# Altium PCB panneaucontrol_pcb.PcbDoc
Units mm, origin at the board's own origin, x right, y up, seen from the top; angles counter-clockwise.
Board outline 110.62 x 156.59 mm, 2 copper layers (Top Layer, Bottom Layer); 79 components, 87 nets, 279 pads, 30 vias.
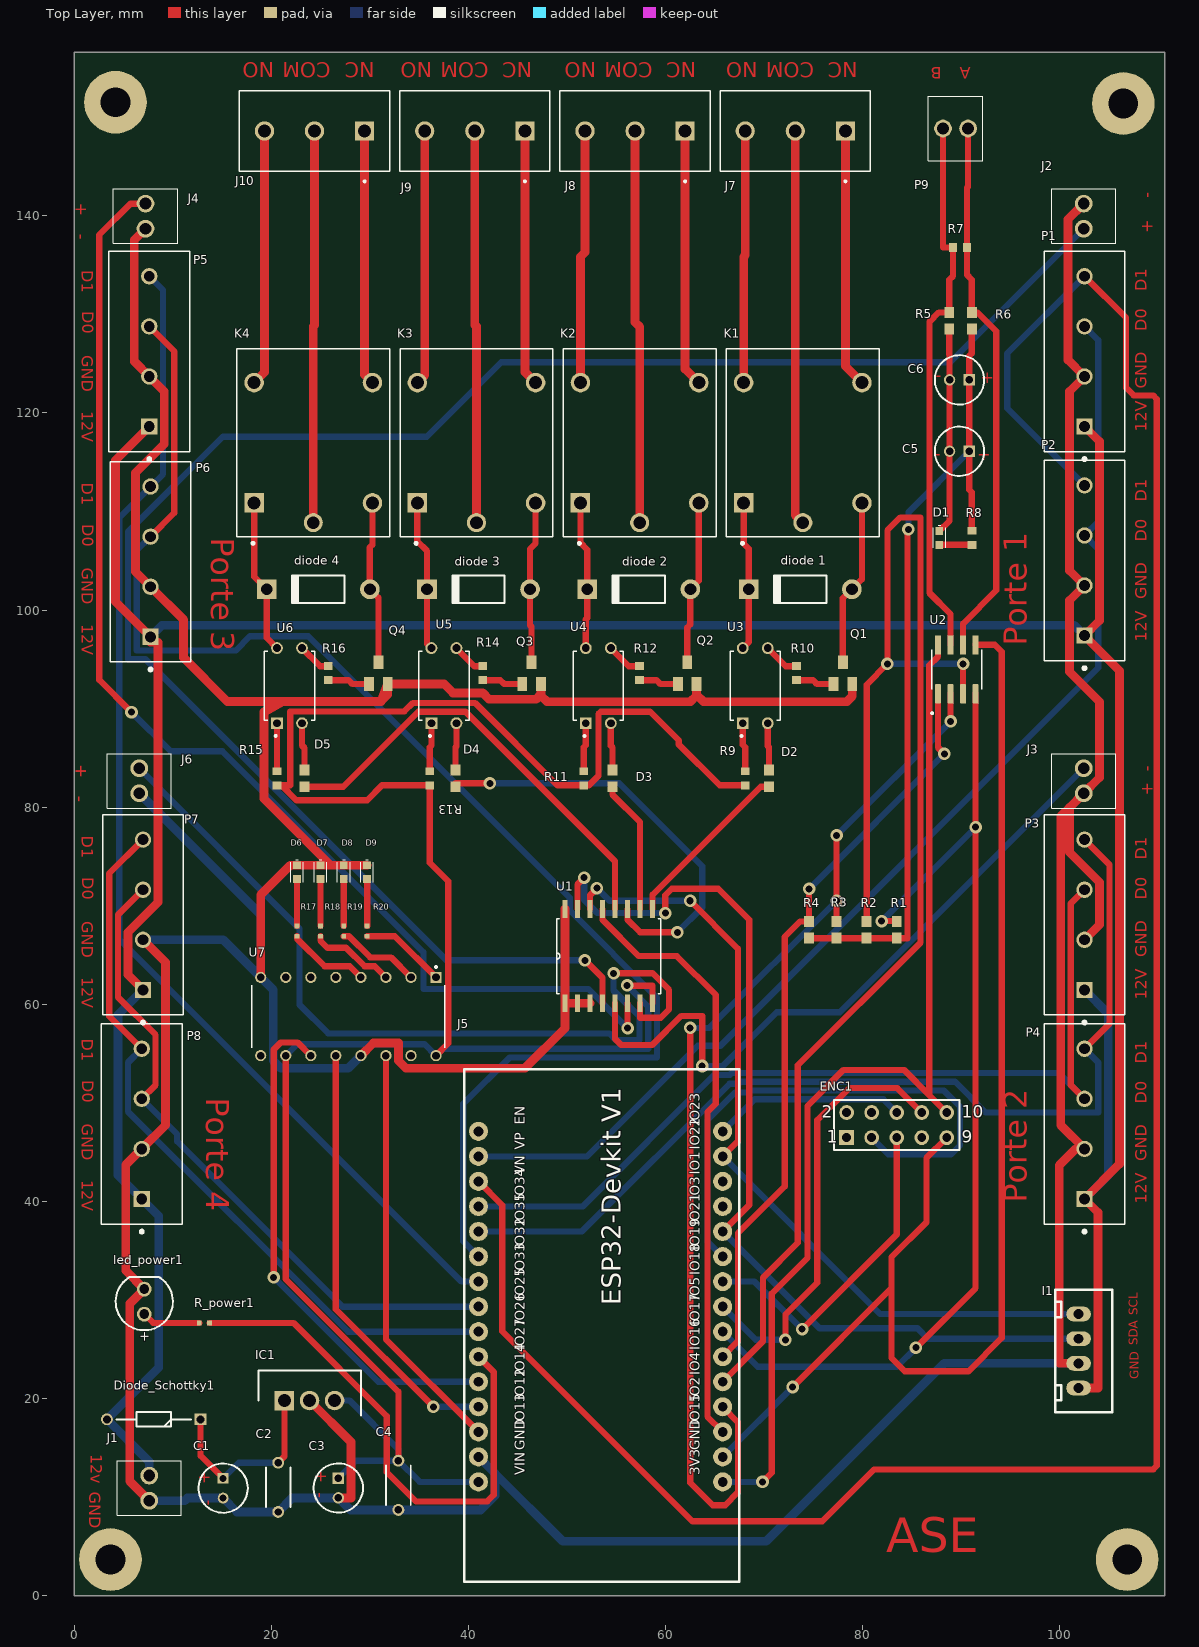
[diagram p0: Top Layer view]
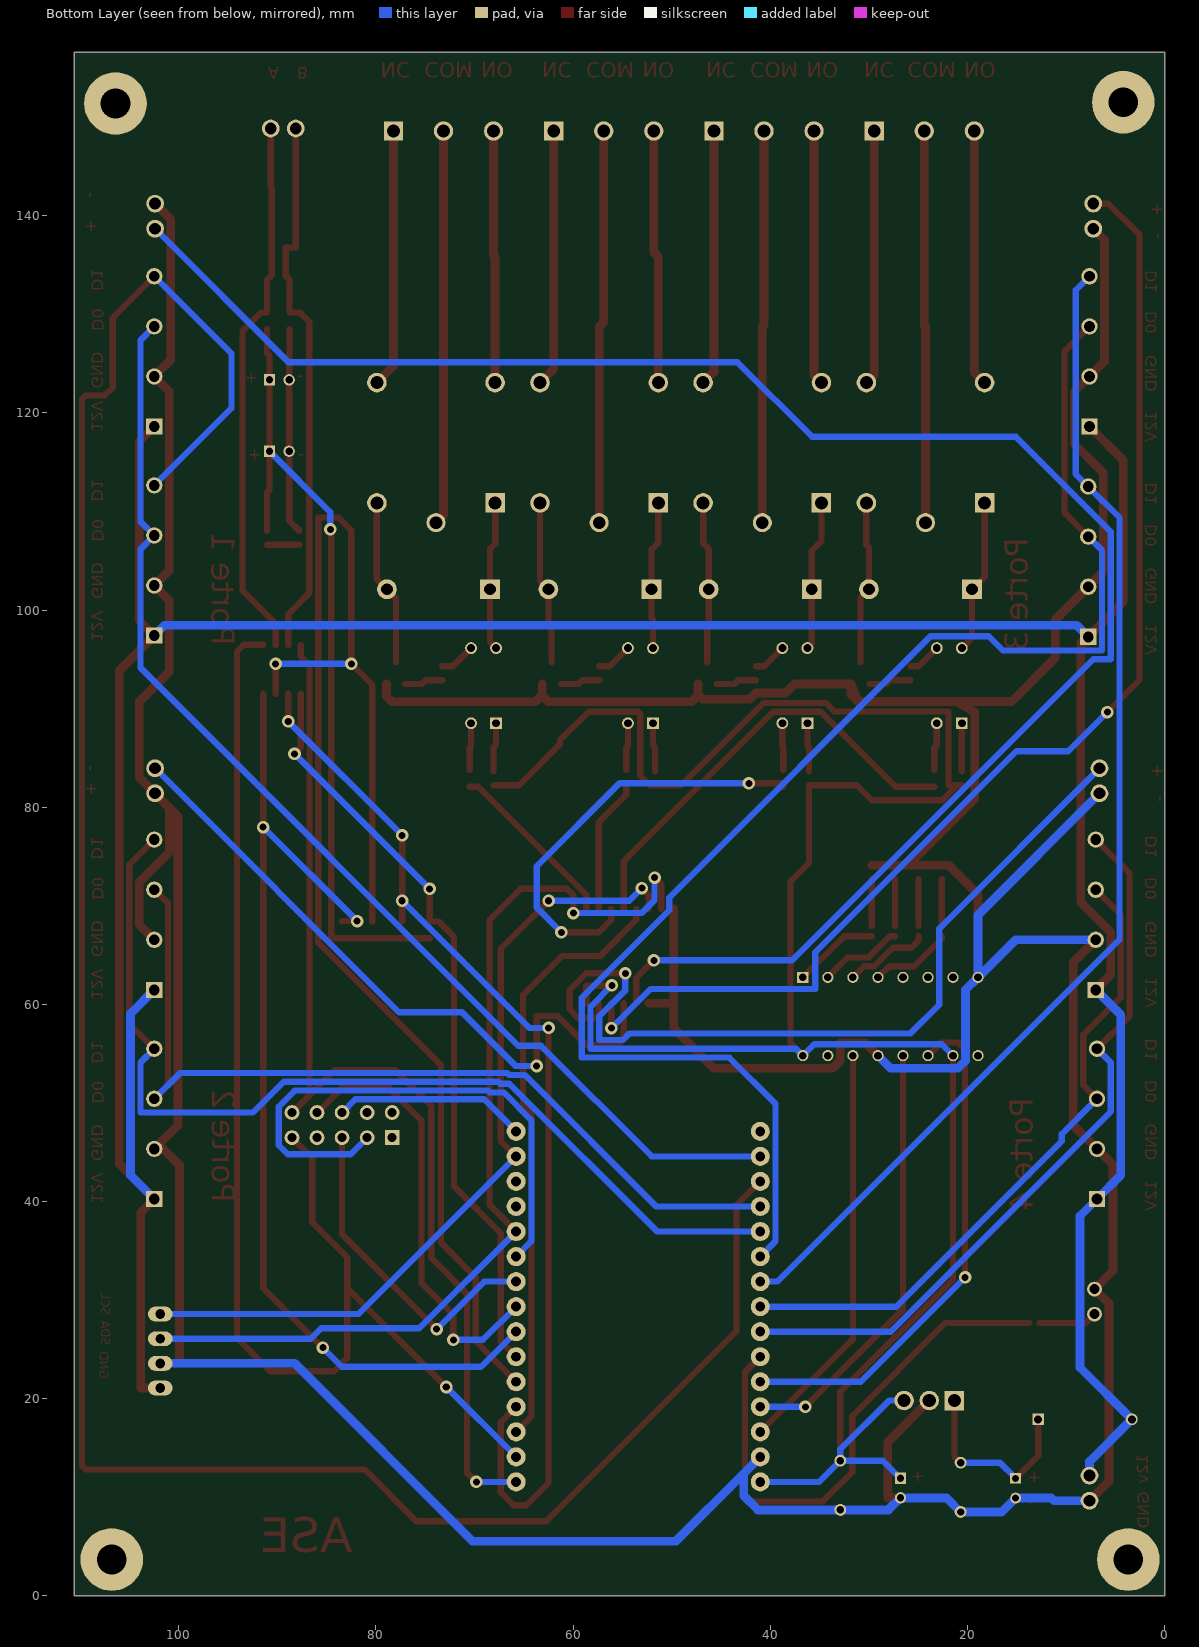
[diagram p1: Bottom Layer view, seen from below]
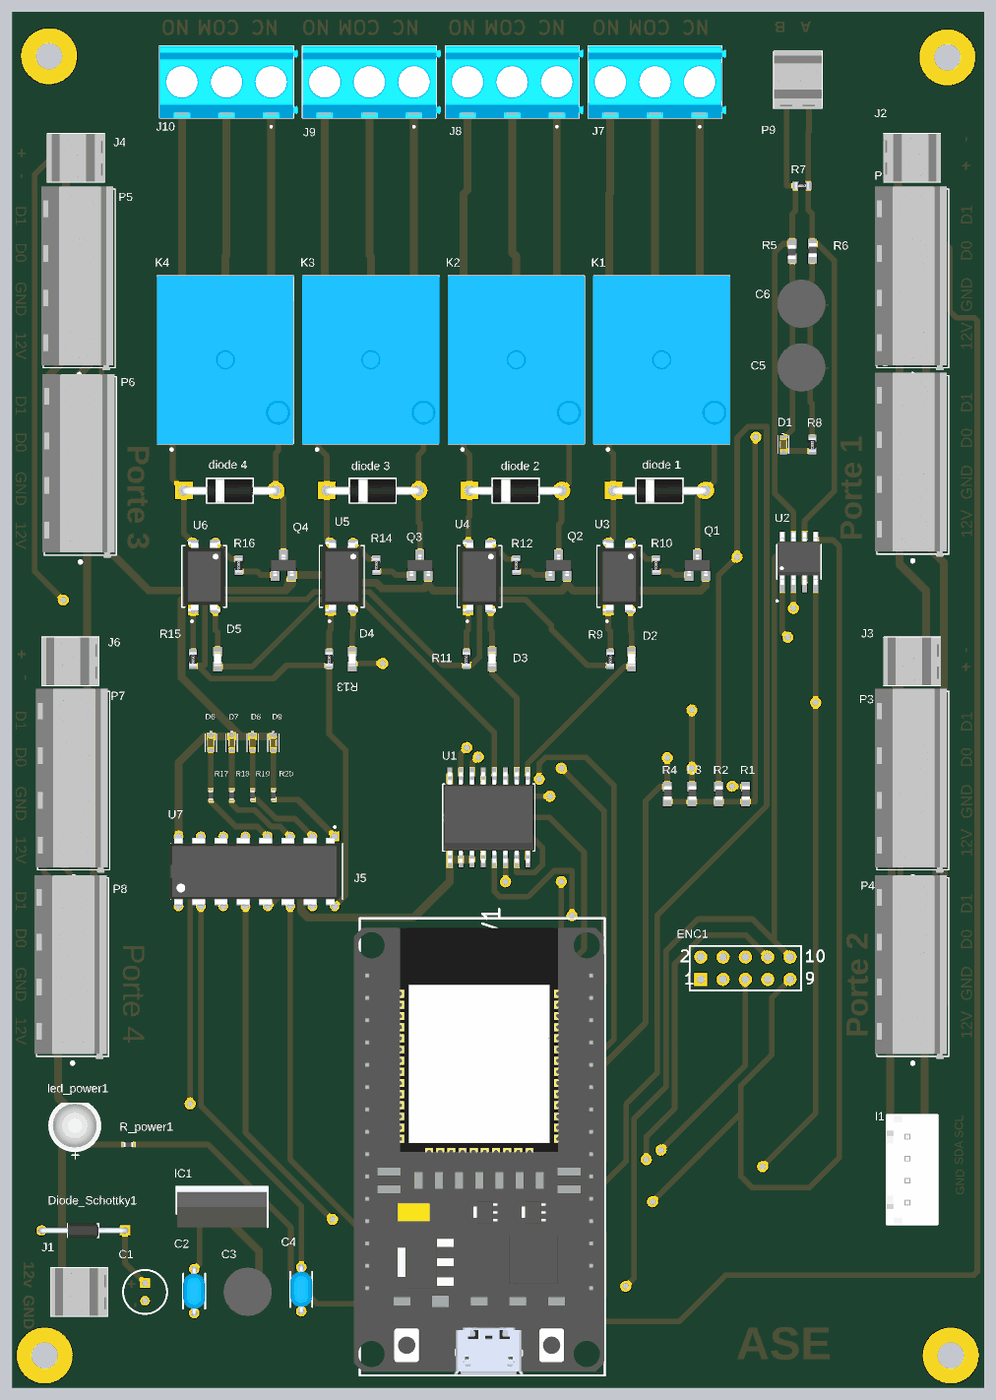
[diagram p2: 3D render of the assembled board from above, using the file's embedded part models]

## Layer stack, top to bottom
Top Solder: solder mask 0.0102, Solder Resist, Dk 3.5
Top Layer: signal copper 0.0356
Dielectric 1: dielectric 0.32, FR-4, Dk 4.8
Bottom Layer: signal copper 0.0356
Bottom Solder: solder mask 0.0102, Solder Resist, Dk 3.5

## Board outline
0,0 110.617,0 110.617,156.591 0,156.591

## Design rules (kind name [scope] priority, off if disabled: settings)
Clearance 12v [InNetClass('12') vs InNetClass('realy')] p1: gap=0.762 ignorepadtopadclearanceinfootprint=FALSE
Clearance relay [InNetClass('realy') vs InNetClass('realy')] p2: gap=0.762 ignorepadtopadclearanceinfootprint=FALSE
Clearance [All] p3: gap=0.254 ignorepadtopadclearanceinfootprint=FALSE except(0: Arc-Hole Track-Hole SMDPad-Hole THPad-Hole Via-Hole Fill-Hole Poly-Hole Region-Hole Text-Hole)
PolygonConnect [All] p1: connectstyle=Relief reliefconductorwidth=0.254 reliefentries=4 polygonreliefangle="90 Angle" airgapwidth=0.254
RoutingVias [All] p1: holewidth=0.711 width=1.27 viastyle="Through Hole" minholewidth=0.711 minwidth=1.27 maxholewidth=0.711 maxwidth=1.27
SolderMaskExpansion [All] p1: expansion=0.102 istentingtop=FALSE
Width 12v_1 [InNetClass('12')] p1: maxlimit=2.54 minlimit=0.762 preferedwidth=0.889
Width Width_1 [InNetClass('realy')] p2: maxlimit=2.54 minlimit=0.762 preferedwidth=0.889
Width [All] p3: maxlimit=0.762 minlimit=0.533 preferedwidth=0.635
30 further rules are at their usual default settings.

## Classes and differential pairs
net class 12: 12v GND_1
net class realy: NetJ7_1 NetJ7_2 NetJ7_3 NetJ8_1 NetJ8_2 NetJ8_3 NetJ9_1 NetJ9_2 NetJ9_3 NetJ10_1 NetJ10_2 NetJ10_3
component class U_shifter: D6 D7 D8 D9 R17 R18 R19 R20 U7
component class U_relay: D2 D3 D4 D5 "diode 1" "diode 2" "diode 3" "diode 4" J7 J8 J9 J10 K1 K2 K3 K4 Q1 Q2 Q3 Q4 R9 R10 R11 R12 R13 R14 R15 R16 U3 U4 U5 U6
component class "U_regulateur de tension": C1 C2 C3 C4 Diode_Schottky1 IC1 J1
component class U_pcf: U1
component class U_max485: C5 C6 D1 P9 R1 R2 R3 R4 R5 R6 R7 R8 U2
component class U_lecteur_8: P1 P2 P3 P4 P5 P6 P7 P8
component class U_enc28j60: ENC1
component class panneau_sheet: I1 J2 J3 J4 J5 J6 led_power1 R_power1

## Components (designator, comment, footprint, x,y, rotation, side; value= is the part's Value field where it differs from the comment)
C1 "0.22uf" CAPPRD200W52D500H1250 15.113,11.922 r270 top
C2 "0.1uf" RDE5C1H330J0M1H03A 20.701,13.509 r270 top
C3 "10uf" CAPPRD200W55D500H1250 26.797,11.938 r270 top
C4 "0.1uf" RDE5C1H330J0M1H03A 32.893,13.716 r270 top
C5 "10uf" CAPPRD200W55D500H1250 90.805,116.106 r180 top
C6 "10uf" CAPPRD200W55D500H1250 90.805,123.349 r180 top
D1 "LED_SMD" 0603_LED 87.757,107.315 r90 top value=RED
D2 "LTST-C193TBKT-5A" "0603 - duplicate" 70.485,82.931 r90 top
D3 "LTST-C193TBKT-5A" "0603 - duplicate" 54.61,82.931 r90 top
D4 "LTST-C193TBKT-5A" "0603 - duplicate" 38.693,82.931 r90 top
D5 "LTST-C193TBKT-5A" "0603 - duplicate" 23.368,82.931 r90 top
D6 "LED_SMD" 0603_LED 22.606,73.406 r90 top value=RED
D7 "LED_SMD" 0603_LED 24.977,73.406 r90 top value=RED
D8 "LED_SMD" 0603_LED 27.347,73.406 r90 top value=RED
D9 "LED_SMD" 0603_LED 29.718,73.406 r90 top value=RED
"diode 1" "Diode 1N4001" DO-41 73.66,102.108 r180 top
"diode 2" "Diode 1N4003" DO-41 57.277,102.108 r180 top
"diode 3" "Diode 1N4003" DO-41 41.021,102.108 r180 top
"diode 4" "Diode 1N4003" DO-41 24.765,102.108 r180 top
Diode_Schottky1 "SD103A-TR" DIOAD950W60L350D150 12.827,17.907 r180 top
ENC1 "Header 5X2" HDR2X5 78.359,46.482 r0 top
I1 "Header 4" JST_4_PIN 101.887,23.582 r270 top
IC1 "L7805CV" TO255P460X1020X2008-3P 21.326,19.812 r0 top
J1 "1546215-2" 15462152 7.62,12.192 r270 top
J2 "1546215-2" 15462152 102.412,138.684 r90 top
J3 "1546215-2" 15462152 102.412,83.947 r270 top
J4 "1546215-2" 15462152 7.239,141.224 r270 top
J5 "ESP32DEVKITV1" ESP32-DEVKITV1_3D 52.246,34.427 r90 top
J6 "1546215-2" 15462152 6.604,83.947 r270 top
J7 "TB006-508-03BE" CUI_TB006-508-03BE 78.232,148.59 r180 top
J8 "TB006-508-03BE" CUI_TB006-508-03BE 61.976,148.59 r180 top
J9 "TB006-508-03BE" CUI_TB006-508-03BE 45.72,148.59 r180 top
J10 "TB006-508-03BE" CUI_TB006-508-03BE 29.464,148.59 r180 top
K1 "SRD-05VDC-SL-C" RELAY_SRD-05VDC-SL-C 73.914,116.967 r90 top
K2 "SRD-05VDC-SL-C" RELAY_SRD-05VDC-SL-C 57.362,116.967 r90 top
K3 "SRD-05VDC-SL-C" RELAY_SRD-05VDC-SL-C 40.809,116.967 r90 top
K4 "SRD-05VDC-SL-C" RELAY_SRD-05VDC-SL-C 24.257,116.967 r90 top
led_power1 "Infrared, 1.5V, 35°" WL-TIRW_D5.8H8.6 7.112,29.845 r90 top
P1 "282837-4" TE_282837-4 102.489,118.618 r90 top
P2 "282837-4" TE_282837-4 102.489,97.409 r90 top
P3 "282837-4" TE_282837-4 102.489,61.468 r90 top
P4 "282837-4" TE_282837-4 102.489,40.259 r90 top
P5 "282837-4" TE_282837-4 7.62,118.618 r90 top
P6 "282837-4" TE_282837-4 7.747,97.282 r90 top
P7 "282837-4" TE_282837-4 6.985,61.468 r90 top
P8 "282837-4" TE_282837-4 6.858,40.259 r90 top
P9 "1546215-2" 15462152 90.678,148.844 r180 top
Q1 "BCW31*" SOT23-BEC 77.978,93.599 r0 top
Q2 "BCW31*" SOT23-BEC 62.188,93.599 r0 top
Q3 "BCW31*" SOT23-BEC 46.397,93.599 r0 top
Q4 "BCW31*" SOT23-BEC 30.861,93.599 r0 top
R1 "10khom" 0603 83.439,67.564 r90 top
R2 "10khom" 0603 80.391,67.564 r90 top
R3 "10khom" 0603 77.343,67.564 r90 top
R4 "10khom" 0603 74.549,67.564 r90 top
R5 "20khom" 0603 88.773,129.343 r270 top value=20Khom
R6 "20khom" 0603 91.059,129.343 r90 top value=20Khom
R7 "Res1" R0603 89.865,136.779 r0 top value=120
R8 "Res1" R0603 91.059,107.326 r270 top value=1K
R9 "Res1" R0603 68.072,82.931 r270 top value=1K
R10 "Res1" R0603 73.279,93.599 r270 top value=1K
R11 "Res1" R0603 51.689,82.931 r270 top value=1K
R12 "Res1" R0603 57.362,93.599 r270 top value=1K
R13 "Res1" R0603 36.068,82.931 r270 top value=1K
R14 "Res1" R0603 41.444,93.599 r270 top value=1K
R15 "Res1" R0603 20.574,82.931 r270 top value=1K
R16 "Res1" R0603 25.781,93.599 r270 top value=1K
R17 "ERA2APB221X" RES_ERA2APB221X 22.606,67.433 r270 top value="220 ohm"
R18 "ERA2APB221X" RES_ERA2APB221X 24.977,67.433 r270 top value="220 ohm"
R19 "ERA2APB221X" RES_ERA2APB221X 27.347,67.433 r270 top value="220 ohm"
R20 "ERA2APB221X" RES_ERA2APB221X 29.718,67.433 r270 top value="220 ohm"
R_power1 "ERA2APB221X" RES_ERA2APB221X 13.208,27.686 r180 top value="220 ohm"
U1 "PCF8574T" SOIC127P1032X265-16N 54.229,64.897 r90 top
U2 "MAX485CSA" SOIC127P600X175-8N 89.535,93.98 r90 top
U3 "LTV-817-A" DIP762W50P254L510H500Q4 69.088,92.329 r90 top
U4 "LTV-817-A" DIP762W50P254L510H500Q4 53.171,92.329 r90 top
U5 "LTV-817-A" DIP762W50P254L510H500Q4 37.507,92.329 r90 top
U6 "LTV-817-A" DIP762W50P254L510H500Q4 21.844,92.329 r90 top
U7 "SN74HC595N" DIP794W45P254L1969H508Q16 27.813,58.768 r270 top

## Footprints (in the part's own frame and the unit in brackets; to place one, negate y for a bottom-side part, rotate by r counter-clockwise, add the part's x,y. Pads: shape width x height; smd on the part's side, far side on the other; paste and mask are expansions set on the pad)
0603 [mm]
  rect 1.1x1 smd: 1(-0.85,0) 2(0.85,0)
  body extent -0.67,-0.51 0.93,0.39, height 0.78
"0603 - duplicate" [mm]
  rect 1.1x1 smd: 1(-0.85,0) 2(0.85,0)
  body extent -0.8,-0.4 0.8,0.4, height 0.36
0603_LED [mm] "LED"
  rect 0.8x0.8 smd: 1(-0.7,0) 2(0.7,0)
  silkscreen extent -1.02,-0.64 1.27,0.64, body extent -0.8,-0.4 0.8,0.4, height 0.6
15462152 [mm]
  round 1.8 hole 1.2: 1(0,0) 2(2.54,0)
  silkscreen extent -1.5,-3.25 4.04,3.25, body extent -1.46,-3.25 4,3.25, height 9.91
CAPPRD200W52D500H1250 [mm]
  rect 1.1x1.1 hole 0.7: 1(0,0)
  round 1.1 hole 0.7: 2(2,0)
  silkscreen extent -1.5,-2.5 3.5,2.5, body extent 0,0 0,0
CAPPRD200W55D500H1250 [mm]
  rect 1.15x1.15 hole 0.75: 1(0,0)
  round 1.15 hole 0.75: 2(2,0)
  silkscreen extent -1.5,-2.5 3.5,2.5, body extent -1.75,-2.75 3.75,2.75, height 12.5
CUI_TB006-508-03BE [mm]
  rect 1.95x1.95 / inner round 1.95 / far side rect 1.95x1.95 hole 1.3: 1(0,0)
  round 1.95 hole 1.3: 2(5.08,0) 3(10.16,0)
  silkscreen extent -2.54,-4.1 12.7,5.2, body extent -3.04,-4.1 12.7,4.1, height 10
DIOAD950W60L350D150 [mm]
  rect 1.2x1.2 hole 0.8: 1(0,0)
  round 1.2 hole 0.8: 2(9.5,0)
  silkscreen extent 0.95,-0.75 8.55,0.75, body extent -0.3,-0.85 9.8,0.85, height 1.69
DIP762W50P254L510H500Q4 [mm]
  rect 1.2x1.2 hole 0.8: 1(-3.81,1.27)
  round 1.2 hole 0.8: 2(-3.81,-1.27) 3(3.81,-1.27) 4(3.81,1.27)
  silkscreen extent -5.2,-2.55 3.5,2.55, body extent -4.53,-2.3 4.53,2.3, height 4.01
DIP794W45P254L1969H508Q16 [mm]
  rect 1.13x1.13 hole 0.78: 1(-3.97,8.89)
  round 1.13 hole 0.78: 2(-3.97,6.35) 3(-3.97,3.81) 4(-3.97,1.27) 5(-3.97,-1.27) 6(-3.97,-3.81) 7(-3.97,-6.35) 8(-3.97,-8.89) 9(3.97,-8.89) 10(3.97,-6.35) 11(3.97,-3.81) 12(3.97,-1.27) 13(3.97,1.27) 14(3.97,3.81) 15(3.97,6.35) 16(3.97,8.89)
  silkscreen extent -5.13,-9.77 3.18,9.77, body extent -3.84,-9.91 3.85,9.4, height 4.58
DO-41 [mm] "Diode, Axial; Body 5.2 x 2.7 mm (LxDia. max), Lead Dia. 0.86 mm (max)"
  round 2 hole 1.2: 1(-5.23,0)
  rect 2x2 hole 1.2: 2(5.23,0)
  silkscreen extent -2.65,-1.4 2.75,1.4, body extent -5.51,-1.34 5.51,1.4, height 2.73
ESP32-DEVKITV1_3D [mm]
  round 1.93 hole 1: 1(-22.87,-13.54) 2(-20.33,-13.54) 3(-17.79,-13.54) 4(-15.25,-13.54) 5(-12.71,-13.54) 6(-10.17,-13.54) 7(-7.63,-13.54) 8(-5.09,-13.54) 9(-2.55,-13.54) 10(-0.01,-13.54) 11(2.53,-13.54) 12(5.07,-13.54) 13(7.61,-13.54) 14(10.15,-13.54) 15(12.69,-13.54) 16(12.69,11.23) 17(10.15,11.23) 18(7.61,11.23) 19(5.07,11.23) 20(2.53,11.23) 21(-0.01,11.23) 22(-2.55,11.23) 23(-5.09,11.23) 24(-7.63,11.23) 25(-10.17,11.23) 26(-12.71,11.23) 27(-15.25,11.23) 28(-17.79,11.23) 29(-20.33,11.23) 30(-22.87,11.23)
  silkscreen extent -33,-15.2 19,12.7, body extent -33,-15.14 17.93,13.36, height 12.75
HDR2X5 [mm] "Connector; Header; 5x2 Position"
  rect 1.5x1.5 hole 0.9: 1(0,0)
  round 1.5 hole 0.9: 2(0,2.54) 3(2.54,0) 4(2.54,2.54) 5(5.08,0) 6(5.08,2.54) 7(7.62,0) 8(7.62,2.54) 9(10.16,0) 10(10.16,2.54)
  silkscreen extent -1.27,-1.27 11.43,3.81
JST_4_PIN [mm]
  oval 1.5x2.5 hole 1: 1(2.5,0) 2(0,0) 3(-2.5,0) 4(-5,0)
  silkscreen extent -7.45,-2.35 4.95,3.4, body extent -7.45,-2.35 4.95,3.4, height 7
R0603 [mm] "Chip Capacitor, Body 1.6x0.8mm, IPC High Density"
  rect 0.8x0.9 smd: 1(-0.711,0) 2(0.711,0)
  body extent -0.8,-0.43 0.84,0.41, height 0.41
RDE5C1H330J0M1H03A [mm]
  round 1.2 hole 0.75: 1(0,0) 2(5,0)
  silkscreen extent 0.5,-1.25 4.5,1.25, body extent -0.25,-1.25 5.25,1.25, height 6.32
RELAY_SRD-05VDC-SL-C [mm]
  rect 1.98x1.98 / inner round 1.98 / far side rect 1.98x1.98 hole 1.32: A1(-6.1,6)
  round 1.98 hole 1.32: A2(-6.1,-6) NC(6.1,6) NO(6.1,-6)
  round 1.935 hole 1.29: COM(-8.1,0)
  silkscreen extent -10.3,-7.75 9.55,7.75, body extent -9.6,-7.8 9.6,7.8, height 15.8
RES_ERA2APB221X [mm]
  rect 0.475x0.5 smd: 1(-0.512,0) 2(0.512,0)
  body extent -0.5,-0.25 0.5,0.25, height 0.35
SOIC127P600X175-8N [mm]
  rrect25% 1.97x0.59 smd: 1(-2.475,1.905) 2(-2.475,0.635) 3(-2.475,-0.635) 4(-2.475,-1.905) 5(2.475,-1.905) 6(2.475,-0.635) 7(2.475,0.635) 8(2.475,1.905)
  silkscreen extent -4.54,-2.52 2,2.59, body extent -2.62,-2.45 3.38,2.45, height 1.75
SOIC127P1032X265-16N [mil]
  rect 71x21 smd: 1(-188,175) 2(-188,125) 3(-188,75) 4(-188,25) 5(-188,-25) 6(-188,-75) 7(-188,-125) 8(-188,-175) 9(188,-175) 10(188,-125) 11(188,-75) 12(188,-25) 13(188,25) 14(188,75) 15(188,125) 16(188,175)
  silkscreen extent -150,-207 150,207, body extent -203,-203 203,203, height 104
SOT23-BEC [mm]
  rect 1x1.4 smd: B(-0.95,-1.1) C(0,1.1) E(0.95,-1.1)
  body extent -1.45,-1.2 1.45,1.2, height 1.14
TE_282837-4 [mm]
  rect 1.65x1.65 / inner round 1.65 / far side rect 1.65x1.65 hole 1.1: 1(0,0)
  round 1.65 hole 1.1: 2(5.08,0) 3(10.16,0) 4(15.24,0)
  silkscreen extent -3.46,-4.1 17.78,4.1, body extent -2.84,-3.88 18.08,4.32, height 9.79
TO255P460X1020X2008-3P [mm]
  rect 1.98x1.98 hole 1.32: 1(0,0)
  round 1.98 hole 1.32: 2(2.55,0) 3(5.1,0)
  silkscreen extent -2.65,-1.53 7.75,3.07, body extent -2.55,-1.53 7.65,3.07, height 19.22
WL-TIRW_D5.8H8.6 [mm] "THT Infrared Round Waterclear, body diameter 5.8mm"
  round 1.5 hole 1: 1(1.27,0) 2(-1.27,0)
  silkscreen extent -2.9,-2.9 2.5,2.9, body extent -2.9,-2.9 2.5,2.9, height 9.1
